# KiCad board vault35-katana-original.kicad_pcb (continued)
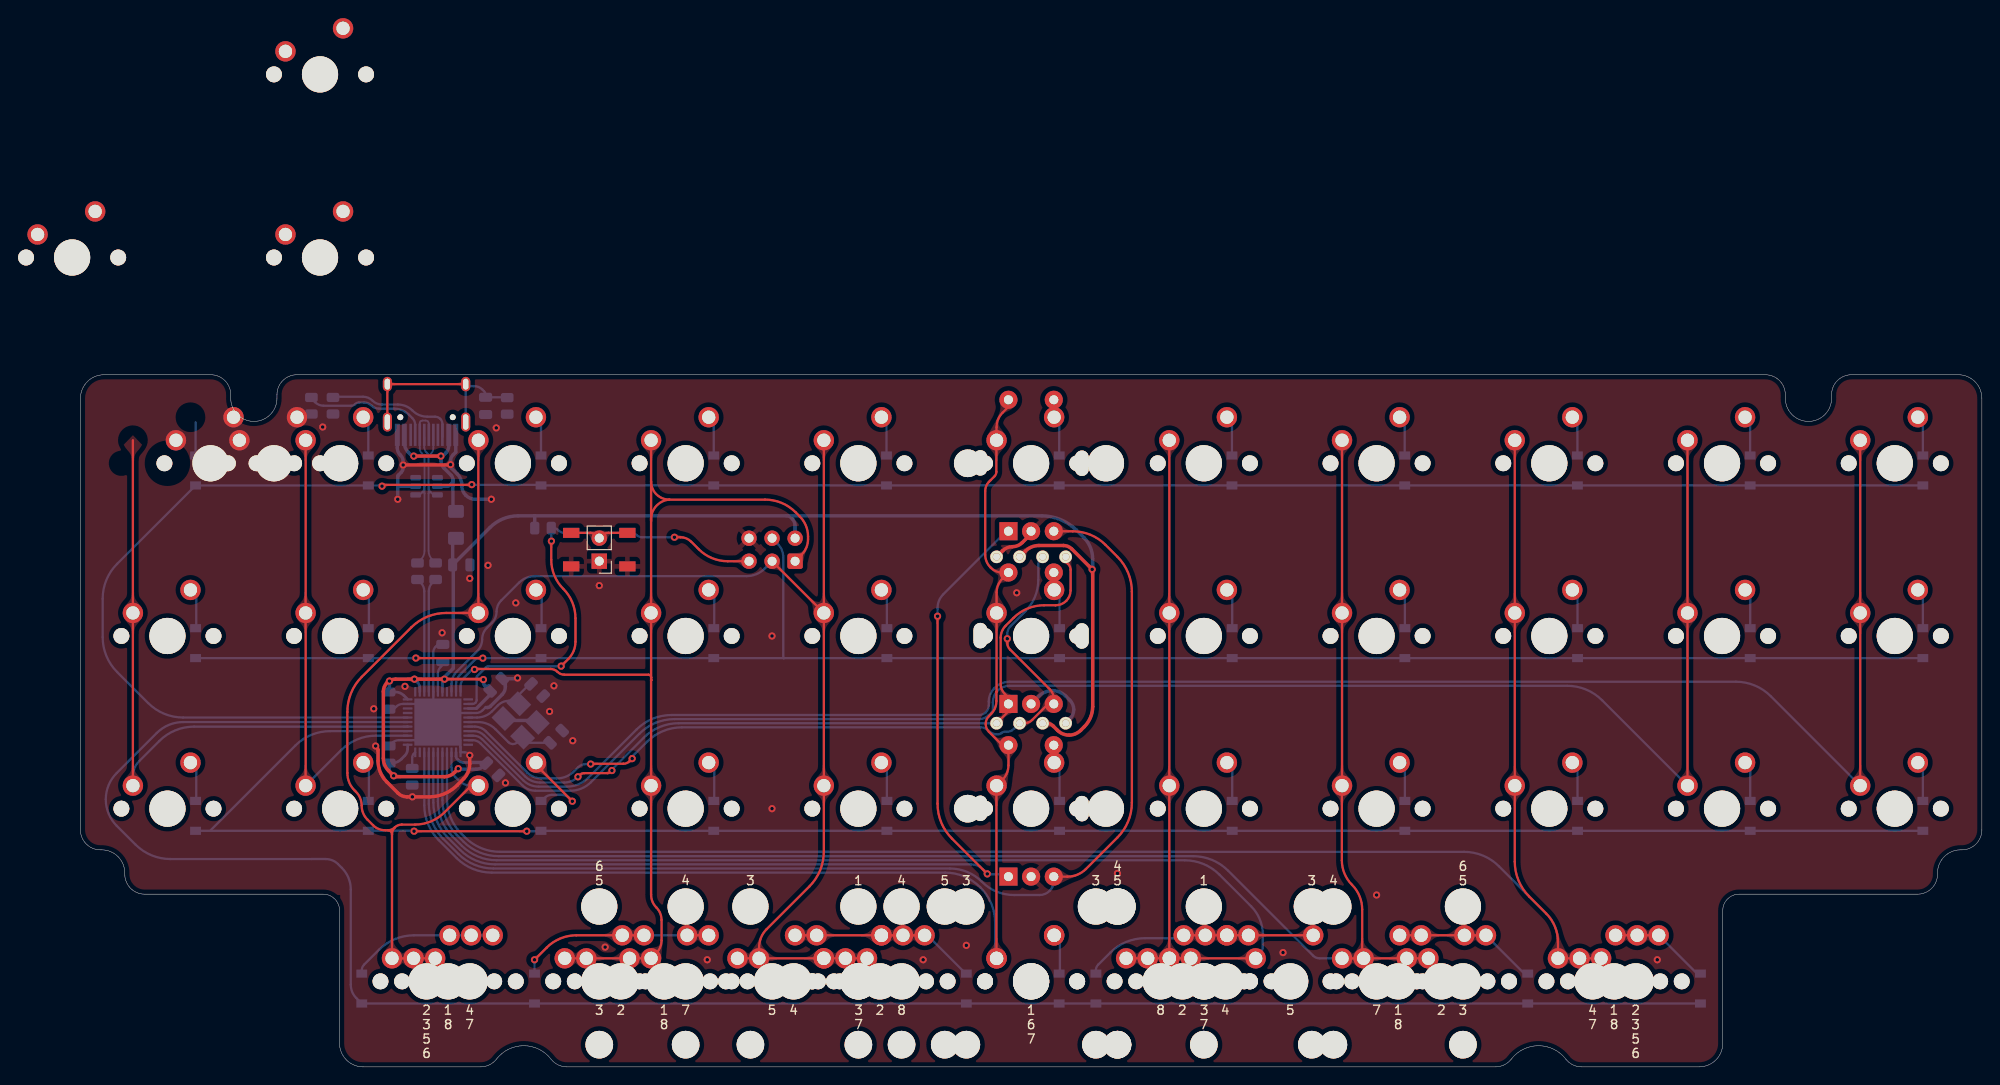
[diagram p0: board, top side]
## Copper pours and planes (outline as drawn; the poured copper is in the pictures) (continued)
col2 on Top: 38.99,12.1 38.72,12.11 38.5,12.15 38.32,12.22 38.17,12.3 38.04,12.4 37.91,12.51 37.77,12.63 37.62,12.75 37.45,12.87 37.23,12.98 36.18,11.97 37.23,10.96 37.45,11.08 37.62,11.2 37.77,11.32 37.91,11.44 38.04,11.55 38.17,11.64 38.32,11.73 38.5,11.79 38.72,11.83 38.99,11.85
col2 on Top: 34.23,14.22 34.22,13.95 34.18,13.73 34.11,13.55 34.03,13.4 33.93,13.27 33.82,13.14 33.71,13 33.59,12.85 33.47,12.68 33.35,12.46 34.36,11.41 35.37,12.46 35.26,12.68 35.14,12.85 35.01,13 34.9,13.14 34.79,13.27 34.69,13.4 34.61,13.55 34.54,13.73 34.5,13.95 34.49,14.22
col2 on Top: 43.76,52.32 43.74,52.05 43.7,51.83 43.64,51.65 43.56,51.5 43.46,51.37 43.35,51.24 43.23,51.1 43.11,50.95 42.99,50.78 42.87,50.56 43.89,49.51 44.9,50.56 44.78,50.78 44.66,50.95 44.54,51.1 44.42,51.24 44.31,51.37 44.22,51.5 44.13,51.65 44.07,51.83 44.03,52.05 44.01,52.32
col2 on Top: 42.09,29.84 42.25,29.98 42.4,30.08 42.55,30.13 42.69,30.15 42.84,30.14 42.98,30.11 43.14,30.06 43.3,30.01 43.48,29.96 43.68,29.92 44.43,31.17 43.09,31.82 42.91,31.62 42.78,31.44 42.68,31.28 42.6,31.11 42.53,30.95 42.46,30.79 42.37,30.62 42.26,30.43 42.11,30.24 41.91,30.02
col2 on Top: 36.88,11.85 37.15,11.83 37.36,11.79 37.54,11.73 37.69,11.64 37.83,11.55 37.96,11.44 38.09,11.32 38.24,11.2 38.42,11.08 38.63,10.96 39.69,11.97 38.63,12.98 38.42,12.87 38.24,12.75 38.09,12.63 37.96,12.51 37.83,12.4 37.69,12.3 37.54,12.22 37.36,12.15 37.15,12.11 36.88,12.1
col2 on Bottom: 41.67,31.46 41.87,31.28 42.03,31.14 42.17,31.01 42.3,30.9 42.54,30.71 42.66,30.61 42.79,30.5 42.94,30.37 43.11,30.21 44.45,30.97 43.49,32.07 43.29,31.98 43.11,31.87 42.94,31.75 42.78,31.64 42.63,31.54 42.49,31.47 42.34,31.43 42.19,31.44 42.03,31.51 41.85,31.65
col3 on Top: 62.81,33.27 62.79,33 62.75,32.78 62.69,32.6 62.61,32.45 62.51,32.32 62.4,32.19 62.28,32.05 62.16,31.9 62.04,31.73 61.92,31.51 62.94,30.46 63.95,31.51 63.83,31.73 63.71,31.9 63.59,32.05 63.47,32.19 63.36,32.32 63.27,32.45 63.18,32.6 63.12,32.78 63.08,33 63.06,33.27
col3 on Top: 58.04,12.1 57.77,12.11 57.55,12.15 57.37,12.22 57.22,12.3 57.09,12.4 56.96,12.51 56.82,12.63 56.67,12.75 56.5,12.87 56.28,12.98 55.23,11.97 56.28,10.96 56.5,11.08 56.67,11.2 56.82,11.32 56.96,11.44 57.09,11.55 57.22,11.64 57.37,11.73 57.55,11.79 57.77,11.83 58.04,11.85
col3 on Top: 60.69,11.85 60.96,11.83 61.18,11.79 61.36,11.73 61.51,11.64 61.64,11.55 61.77,11.44 61.91,11.32 62.06,11.2 62.23,11.08 62.45,10.96 63.5,11.97 62.45,12.98 62.23,12.87 62.06,12.75 61.91,12.63 61.77,12.51 61.64,12.4 61.51,12.3 61.36,12.22 61.18,12.15 60.96,12.11 60.69,12.1
col3 on Top: 58.31,11.85 58.58,11.83 58.79,11.79 58.97,11.73 59.13,11.64 59.26,11.55 59.39,11.44 59.53,11.32 59.68,11.2 59.85,11.08 60.06,10.96 61.12,11.97 60.06,12.98 59.85,12.87 59.68,12.75 59.53,12.63 59.39,12.51 59.26,12.4 59.13,12.3 58.97,12.22 58.79,12.15 58.58,12.11 58.31,12.1
col3 on Top: 62.81,52.32 62.79,52.05 62.75,51.83 62.69,51.65 62.61,51.5 62.51,51.37 62.4,51.24 62.28,51.1 62.16,50.95 62.04,50.78 61.92,50.56 62.94,49.51 63.95,50.56 63.83,50.78 63.71,50.95 63.59,51.1 63.47,51.24 63.36,51.37 63.27,51.5 63.18,51.65 63.12,51.83 63.08,52.05 63.06,52.32
col3 on Top: 63.06,28.78 63.08,29.04 63.12,29.26 63.18,29.44 63.27,29.59 63.36,29.73 63.47,29.86 63.59,29.99 63.71,30.14 63.83,30.32 63.95,30.53 62.94,31.58 61.92,30.53 62.04,30.32 62.16,30.14 62.28,29.99 62.4,29.86 62.51,29.73 62.61,29.59 62.69,29.44 62.75,29.26 62.79,29.04 62.81,28.78
col3 on Top: 62.8,12.1 62.53,12.11 62.32,12.15 62.14,12.22 61.98,12.3 61.85,12.4 61.72,12.51 61.58,12.63 61.43,12.75 61.26,12.87 61.05,12.98 59.99,11.97 61.05,10.96 61.26,11.08 61.43,11.2 61.58,11.32 61.72,11.44 61.85,11.55 61.98,11.64 62.14,11.73 62.32,11.79 62.53,11.83 62.8,11.85
col3 on Top: 63.06,66.88 63.08,67.14 63.12,67.36 63.18,67.54 63.27,67.69 63.36,67.83 63.47,67.96 63.59,68.09 63.71,68.24 63.83,68.42 63.95,68.63 62.94,69.68 61.92,68.63 62.04,68.42 62.16,68.24 62.28,68.09 62.4,67.96 62.51,67.83 62.61,67.69 62.69,67.54 62.75,67.36 62.79,67.14 62.81,66.88
col3 on Top: 55.66,12.1 55.39,12.11 55.17,12.15 54.99,12.22 54.84,12.3 54.7,12.4 54.58,12.51 54.44,12.63 54.29,12.75 54.11,12.87 53.9,12.98 52.85,11.97 53.9,10.96 54.11,11.08 54.29,11.2 54.44,11.32 54.58,11.44 54.7,11.55 54.84,11.64 54.99,11.73 55.17,11.79 55.39,11.83 55.66,11.85
col3 on Top: 79.9,57.24 79.8,57.06 79.7,56.93 79.58,56.84 79.46,56.77 79.34,56.74 79.2,56.71 79.05,56.69 78.89,56.67 78.72,56.63 78.54,56.58 78.52,55.48 79.62,55.5 79.68,55.7 79.73,55.87 79.77,56.02 79.83,56.29 79.87,56.43 79.91,56.57 79.96,56.73 80.03,56.92 80.13,57.13
col3 on Top: 63.96,13.85 63.93,13.62 63.86,13.46 63.75,13.35 63.62,13.27 63.47,13.22 63.29,13.19 63.1,13.16 62.9,13.12 62.69,13.08 62.48,13 62.57,11.54 64.06,11.91 64.07,12.15 64.09,12.35 64.1,12.52 64.12,12.68 64.15,12.99 64.16,13.16 64.18,13.35 64.2,13.57 64.21,13.83
col3 on Top: 63.06,47.83 63.08,48.09 63.12,48.31 63.18,48.49 63.27,48.64 63.36,48.78 63.47,48.91 63.59,49.04 63.71,49.19 63.83,49.37 63.95,49.58 62.94,50.63 61.92,49.58 62.04,49.37 62.16,49.19 62.28,49.04 62.4,48.91 62.51,48.78 62.61,48.64 62.69,48.49 62.75,48.31 62.79,48.09 62.81,47.83
col3 on Top: 53.55,11.85 53.81,11.83 54.03,11.79 54.21,11.73 54.36,11.64 54.5,11.55 54.63,11.44 54.76,11.32 54.91,11.2 55.09,11.08 55.3,10.96 56.35,11.97 55.3,12.98 55.09,12.87 54.91,12.75 54.76,12.63 54.63,12.51 54.5,12.4 54.36,12.3 54.21,12.22 54.03,12.15 53.81,12.11 53.55,12.1
col4 on Top: 82.11,66.88 82.13,67.14 82.17,67.36 82.23,67.54 82.32,67.69 82.41,67.83 82.52,67.96 82.64,68.09 82.76,68.24 82.88,68.42 83,68.63 81.99,69.68 80.97,68.63 81.09,68.42 81.21,68.24 81.33,68.09 81.45,67.96 81.56,67.83 81.66,67.69 81.74,67.54 81.8,67.36 81.84,67.14 81.86,66.88
col4 on Top: 72.6,11.85 72.86,11.83 73.08,11.79 73.26,11.73 73.41,11.64 73.55,11.55 73.68,11.44 73.81,11.32 73.96,11.2 74.14,11.08 74.35,10.96 75.4,11.97 74.35,12.98 74.14,12.87 73.96,12.75 73.81,12.63 73.68,12.51 73.55,12.4 73.41,12.3 73.26,12.22 73.08,12.15 72.86,12.11 72.6,12.1
col4 on Top: 74.94,14.31 74.82,14.04 74.71,13.82 74.6,13.63 74.49,13.48 74.39,13.33 74.28,13.2 74.18,13.05 74.07,12.89 73.95,12.7 73.83,12.46 74.84,11.41 75.85,12.46 75.74,12.67 75.61,12.85 75.48,13.01 75.36,13.15 75.25,13.29 75.16,13.44 75.1,13.59 75.08,13.77 75.1,13.97 75.18,14.21
col4 on Top: 82.11,47.83 82.13,48.09 82.17,48.31 82.23,48.49 82.32,48.64 82.41,48.78 82.52,48.91 82.64,49.04 82.76,49.19 82.88,49.37 83,49.58 81.99,50.63 80.97,49.58 81.09,49.37 81.21,49.19 81.33,49.04 81.45,48.91 81.56,48.78 81.66,48.64 81.74,48.49 81.8,48.31 81.84,48.09 81.86,47.83
col4 on Top: 81.86,52.32 81.84,52.05 81.8,51.83 81.74,51.65 81.66,51.5 81.56,51.37 81.45,51.24 81.33,51.1 81.21,50.95 81.09,50.78 80.97,50.56 81.99,49.51 83,50.56 82.88,50.78 82.76,50.95 82.64,51.1 82.52,51.24 82.41,51.37 82.32,51.5 82.23,51.65 82.17,51.83 82.13,52.05 82.11,52.32
col4 on Top: 81.86,33.27 81.84,33 81.8,32.78 81.74,32.6 81.66,32.45 81.56,32.32 81.45,32.19 81.33,32.05 81.21,31.9 81.09,31.73 80.97,31.51 81.99,30.46 83,31.51 82.88,31.73 82.76,31.9 82.64,32.05 82.52,32.19 82.41,32.32 82.32,32.45 82.23,32.6 82.17,32.78 82.13,33 82.11,33.27
col4 on Top: 84.5,11.85 84.77,11.83 84.99,11.79 85.17,11.73 85.32,11.64 85.46,11.55 85.58,11.44 85.72,11.32 85.87,11.2 86.04,11.08 86.26,10.96 87.31,11.97 86.26,12.98 86.04,12.87 85.87,12.75 85.72,12.63 85.58,12.51 85.46,12.4 85.32,12.3 85.17,12.22 84.99,12.15 84.77,12.11 84.5,12.1
col4 on Top: 77.56,54.67 77.43,54.82 77.34,54.96 77.27,55.09 77.23,55.21 77.21,55.33 77.19,55.46 77.18,55.59 77.16,55.73 77.13,55.89 77.08,56.06 75.97,56.08 76,54.97 76.17,54.92 76.33,54.89 76.47,54.88 76.6,54.86 76.73,54.85 76.85,54.83 76.97,54.79 77.1,54.72 77.24,54.63 77.38,54.49
col4 on Top: 74.71,12.1 74.44,12.11 74.22,12.15 74.04,12.22 73.89,12.3 73.75,12.4 73.63,12.51 73.49,12.63 73.34,12.75 73.16,12.87 72.95,12.98 71.9,11.97 72.95,10.96 73.16,11.08 73.34,11.2 73.49,11.32 73.63,11.44 73.75,11.55 73.89,11.64 74.04,11.73 74.22,11.79 74.44,11.83 74.71,11.85
col4 on Top: 77.09,12.1 76.82,12.11 76.6,12.15 76.42,12.22 76.27,12.3 76.14,12.4 76.01,12.51 75.87,12.63 75.72,12.75 75.55,12.87 75.33,12.98 74.28,11.97 75.33,10.96 75.55,11.08 75.72,11.2 75.87,11.32 76.01,11.44 76.14,11.55 76.27,11.64 76.42,11.73 76.6,11.79 76.82,11.83 77.09,11.85
col4 on Top: 80.31,51.57 80.49,51.37 80.61,51.19 80.69,51.02 80.74,50.85 80.77,50.68 80.78,50.52 80.8,50.34 80.82,50.15 80.86,49.94 80.92,49.7 82.38,49.67 82.36,51.13 82.12,51.2 81.91,51.24 81.72,51.26 81.54,51.27 81.37,51.29 81.21,51.32 81.04,51.36 80.87,51.45 80.69,51.57 80.49,51.75
col4 on Top: 84.23,12.1 83.96,12.11 83.75,12.15 83.57,12.22 83.41,12.3 83.28,12.4 83.15,12.51 83.02,12.63 82.87,12.75 82.69,12.87 82.48,12.98 81.42,11.97 82.48,10.96 82.69,11.08 82.87,11.2 83.02,11.32 83.15,11.44 83.28,11.55 83.41,11.64 83.57,11.73 83.75,11.79 83.96,11.83 84.23,11.85
col4 on Top: 82.12,11.85 82.39,11.83 82.61,11.79 82.79,11.73 82.94,11.64 83.07,11.55 83.2,11.44 83.34,11.32 83.49,11.2 83.66,11.08 83.88,10.96 84.93,11.97 83.88,12.98 83.66,12.87 83.49,12.75 83.34,12.63 83.2,12.51 83.07,12.4 82.94,12.3 82.79,12.22 82.61,12.15 82.39,12.11 82.12,12.1
col4 on Top: 82.11,28.78 82.13,29.04 82.17,29.26 82.23,29.44 82.32,29.59 82.41,29.73 82.52,29.86 82.64,29.99 82.76,30.14 82.88,30.32 83,30.53 81.99,31.58 80.97,30.53 81.09,30.32 81.21,30.14 81.33,29.99 81.45,29.86 81.56,29.73 81.66,29.59 81.74,29.44 81.8,29.26 81.84,29.04 81.86,28.78
col4 on Top: 84.23,12.1 83.96,12.11 83.75,12.15 83.57,12.22 83.41,12.3 83.28,12.4 83.15,12.51 83.02,12.63 82.87,12.75 82.69,12.87 82.48,12.98 81.42,11.97 82.48,10.96 82.69,11.08 82.87,11.2 83.02,11.32 83.15,11.44 83.28,11.55 83.41,11.64 83.57,11.73 83.75,11.79 83.96,11.83 84.23,11.85
col4 on Top: 79.74,11.85 80.01,11.83 80.23,11.79 80.41,11.73 80.56,11.64 80.69,11.55 80.82,11.44 80.96,11.32 81.11,11.2 81.28,11.08 81.5,10.96 82.55,11.97 81.5,12.98 81.28,12.87 81.11,12.75 80.96,12.63 80.82,12.51 80.69,12.4 80.56,12.3 80.41,12.22 80.23,12.15 80.01,12.11 79.74,12.1
col4 on Top: 79.74,11.85 80.01,11.83 80.23,11.79 80.41,11.73 80.56,11.64 80.69,11.55 80.82,11.44 80.96,11.32 81.11,11.2 81.28,11.08 81.5,10.96 82.55,11.97 81.5,12.98 81.28,12.87 81.11,12.75 80.96,12.63 80.82,12.51 80.69,12.4 80.56,12.3 80.41,12.22 80.23,12.15 80.01,12.11 79.74,12.1
col4 on Top: 86.61,12.1 86.35,12.11 86.13,12.15 85.95,12.22 85.8,12.3 85.66,12.4 85.53,12.51 85.4,12.63 85.25,12.75 85.07,12.87 84.86,12.98 83.8,11.97 84.86,10.96 85.07,11.08 85.25,11.2 85.4,11.32 85.53,11.44 85.66,11.55 85.8,11.64 85.95,11.73 86.13,11.79 86.35,11.83 86.61,11.85
col4 on Bottom: 74.83,54.34 75.06,54.46 75.25,54.55 75.42,54.62 75.57,54.67 75.71,54.72 75.85,54.76 76,54.8 76.16,54.85 76.34,54.9 76.56,54.98 76.58,56.08 75.47,56.06 75.41,55.86 75.37,55.67 75.31,55.34 75.28,55.2 75.23,55.06 75.16,54.93 75.05,54.8 74.91,54.69 74.71,54.57
col5 on Top: 102.18,32.86 102.12,32.64 102.03,32.48 101.91,32.37 101.77,32.29 101.61,32.25 101.43,32.22 101.24,32.2 101.04,32.18 100.83,32.14 100.62,32.07 100.66,30.61 102.14,30.81 102.19,31.06 102.22,31.26 102.24,31.45 102.26,31.61 102.3,31.93 102.32,32.11 102.34,32.31 102.38,32.54 102.43,32.82
col5 on Top: 100.37,54.92 100.54,54.76 100.68,54.63 100.81,54.52 100.93,54.43 101.14,54.26 101.25,54.17 101.37,54.07 101.5,53.96 101.65,53.82 102.84,54.49 101.99,55.47 101.82,55.39 101.66,55.29 101.51,55.19 101.37,55.09 101.24,55.01 101.11,54.94 100.98,54.91 100.84,54.92 100.7,54.98 100.54,55.11
col5 on Top: 101.16,47.83 101.18,48.09 101.22,48.31 101.28,48.49 101.37,48.64 101.46,48.78 101.57,48.91 101.69,49.04 101.81,49.19 101.93,49.37 102.05,49.58 101.04,50.63 100.02,49.58 100.14,49.37 100.26,49.19 100.38,49.04 100.5,48.91 100.61,48.78 100.71,48.64 100.79,48.49 100.85,48.31 100.89,48.09 100.91,47.83
col5 on Top: 101.28,71.28 101.42,71.59 101.57,71.83 101.74,72 101.92,72.14 102.11,72.24 102.31,72.34 102.52,72.45 102.72,72.58 102.93,72.75 103.14,72.98 102.45,74.08 101.38,73.35 101.43,73.11 101.46,72.9 101.46,72.72 101.45,72.55 101.42,72.39 101.37,72.22 101.3,72.04 101.14,71.62 101.04,71.36
col5 on Top: 101.14,66.87 101.16,67.13 101.2,67.35 101.26,67.53 101.34,67.68 101.44,67.82 101.55,67.95 101.67,68.08 101.79,68.23 101.92,68.4 102.04,68.61 101.05,69.68 100.01,68.65 100.13,68.43 100.25,68.25 100.37,68.1 100.48,67.96 100.59,67.83 100.69,67.69 100.77,67.54 100.84,67.36 100.88,67.14 100.89,66.87
col5 on Top: 101.26,52.92 101.34,53.12 101.44,53.26 101.55,53.36 101.68,53.42 101.82,53.45 101.97,53.47 102.14,53.49 102.31,53.51 102.5,53.54 102.69,53.6 102.69,54.9 101.39,54.83 101.33,54.61 101.28,54.42 101.25,54.26 101.23,54.1 101.2,53.8 101.17,53.64 101.14,53.46 101.09,53.25 101.02,53
col5 on Top: 100.89,14.22 100.88,13.95 100.84,13.74 100.77,13.55 100.69,13.4 100.59,13.26 100.49,13.13 100.37,13 100.25,12.84 100.13,12.66 100.02,12.45 101.04,11.41 102.04,12.48 101.92,12.69 101.8,12.86 101.68,13.01 101.56,13.15 101.45,13.27 101.35,13.41 101.27,13.56 101.2,13.74 101.16,13.96 101.15,14.22
col5 on Top: 101.2,53.43 101.01,53.06 100.86,52.74 100.75,52.46 100.67,52.21 100.6,51.97 100.53,51.73 100.45,51.49 100.35,51.23 100.22,50.95 100.05,50.61 101.04,49.51 102.05,50.56 101.88,50.88 101.71,51.16 101.54,51.42 101.4,51.66 101.28,51.9 101.19,52.14 101.16,52.39 101.18,52.66 101.26,52.97 101.42,53.31
col5 on Top: 101.15,28.77 101.16,29.04 101.2,29.25 101.27,29.43 101.35,29.59 101.45,29.72 101.56,29.85 101.68,29.98 101.8,30.13 101.92,30.31 102.04,30.52 101.04,31.58 100.02,30.55 100.13,30.33 100.25,30.15 100.37,30 100.49,29.86 100.59,29.73 100.69,29.59 100.77,29.44 100.84,29.26 100.88,29.04 100.89,28.77
col5 on Top: 101.2,71.72 101.05,71.43 100.91,71.19 100.8,70.99 100.41,70.32 100.31,70.13 100.19,69.92 100.05,69.66 101.04,68.56 102.05,69.61 101.92,69.85 101.78,70.05 101.64,70.23 101.51,70.41 101.4,70.57 101.31,70.74 101.26,70.92 101.26,71.12 101.31,71.34 101.42,71.6
col5 on Top: 100.89,14.22 100.88,13.95 100.84,13.74 100.77,13.55 100.69,13.4 100.59,13.26 100.49,13.13 100.37,13 100.25,12.84 100.13,12.66 100.02,12.45 101.04,11.41 102.04,12.48 101.92,12.69 101.8,12.86 101.68,13.01 101.56,13.15 101.45,13.27 101.35,13.41 101.27,13.56 101.2,13.74 101.16,13.96 101.15,14.22
col5 on Top: 102.47,33.5 102.49,33.73 102.52,33.92 102.58,34.08 102.65,34.22 102.73,34.34 102.83,34.45 102.93,34.57 103.04,34.71 103.14,34.86 103.25,35.05 102.35,35.99 101.45,35.05 101.55,34.86 101.66,34.71 101.76,34.57 101.86,34.45 101.96,34.34 102.04,34.22 102.12,34.08 102.17,33.92 102.21,33.73 102.22,33.5
col5 on Top: 100.59,36.39 100.77,36.19 100.9,36.02 101,35.85 101.08,35.7 101.14,35.55 101.21,35.41 101.28,35.26 101.36,35.11 101.48,34.95 101.64,34.78 102.83,35.34 102.18,36.47 102.01,36.44 101.85,36.4 101.7,36.35 101.56,36.32 101.43,36.29 101.3,36.29 101.18,36.31 101.05,36.35 100.91,36.44 100.77,36.57
col5 on Bottom: 100.75,14.22 100.74,13.94 100.7,13.71 100.63,13.52 100.56,13.35 100.46,13.21 100.36,13.06 100.26,12.92 100.15,12.75 100.05,12.55 99.96,12.32 101.12,11.42 101.97,12.6 101.83,12.79 101.69,12.94 101.56,13.08 101.43,13.2 101.31,13.31 101.21,13.44 101.12,13.58 101.06,13.75 101.02,13.96 101,14.22
col5 on Bottom: 100.75,14.22 100.74,13.94 100.7,13.71 100.63,13.52 100.56,13.35 100.46,13.21 100.36,13.06 100.26,12.92 100.15,12.75 100.05,12.55 99.96,12.32 101.12,11.42 101.97,12.6 101.83,12.79 101.69,12.94 101.56,13.08 101.43,13.2 101.31,13.31 101.21,13.44 101.12,13.58 101.06,13.75 101.02,13.96 101,14.22
col6 on Top: 115.46,11.85 115.73,11.83 115.94,11.79 116.12,11.73 116.28,11.64 116.41,11.55 116.54,11.44 116.68,11.32 116.83,11.2 117,11.08 117.21,10.96 118.27,11.97 117.21,12.98 117,12.87 116.83,12.75 116.68,12.63 116.54,12.51 116.41,12.4 116.28,12.3 116.12,12.22 115.94,12.15 115.73,12.11 115.46,12.1
col6 on Top: 119.96,33.27 119.94,33 119.9,32.78 119.84,32.6 119.76,32.45 119.66,32.32 119.55,32.19 119.43,32.05 119.31,31.9 119.19,31.73 119.07,31.51 120.09,30.46 121.1,31.51 120.98,31.73 120.86,31.9 120.74,32.05 120.62,32.19 120.51,32.32 120.42,32.45 120.33,32.6 120.27,32.78 120.23,33 120.21,33.27
col6 on Top: 127.37,11.85 127.63,11.83 127.85,11.79 128.03,11.73 128.18,11.64 128.32,11.55 128.45,11.44 128.58,11.32 128.73,11.2 128.91,11.08 129.12,10.96 130.17,11.97 129.12,12.98 128.91,12.87 128.73,12.75 128.58,12.63 128.45,12.51 128.32,12.4 128.18,12.3 128.03,12.22 127.85,12.15 127.63,12.11 127.37,12.1
col6 on Top: 117.57,12.1 117.3,12.11 117.08,12.15 116.9,12.22 116.75,12.3 116.62,12.4 116.49,12.51 116.35,12.63 116.2,12.75 116.03,12.87 115.81,12.98 114.76,11.97 115.81,10.96 116.03,11.08 116.2,11.2 116.35,11.32 116.49,11.44 116.62,11.55 116.75,11.64 116.9,11.73 117.08,11.79 117.3,11.83 117.57,11.85
col6 on Top: 122.33,12.1 122.06,12.11 121.85,12.15 121.67,12.22 121.51,12.3 121.38,12.4 121.25,12.51 121.12,12.63 120.97,12.75 120.79,12.87 120.58,12.98 119.52,11.97 120.58,10.96 120.79,11.08 120.97,11.2 121.12,11.32 121.25,11.44 121.38,11.55 121.51,11.64 121.67,11.73 121.85,11.79 122.06,11.83 122.33,11.85
col6 on Top: 117.84,11.85 118.11,11.83 118.33,11.79 118.51,11.73 118.66,11.64 118.79,11.55 118.92,11.44 119.06,11.32 119.21,11.2 119.38,11.08 119.6,10.96 120.65,11.97 119.6,12.98 119.38,12.87 119.21,12.75 119.06,12.63 118.92,12.51 118.79,12.4 118.66,12.3 118.51,12.22 118.33,12.15 118.11,12.11 117.84,12.1
col6 on Top: 119.96,52.32 119.94,52.05 119.9,51.83 119.84,51.65 119.76,51.5 119.66,51.37 119.55,51.24 119.43,51.1 119.31,50.95 119.19,50.78 119.07,50.56 120.09,49.51 121.1,50.56 120.98,50.78 120.86,50.95 120.74,51.1 120.62,51.24 120.51,51.37 120.42,51.5 120.33,51.65 120.27,51.83 120.23,52.05 120.21,52.32
col6 on Top: 124.71,12.1 124.45,12.11 124.23,12.15 124.05,12.22 123.9,12.3 123.76,12.4 123.63,12.51 123.5,12.63 123.35,12.75 123.17,12.87 122.96,12.98 121.9,11.97 122.96,10.96 123.17,11.08 123.35,11.2 123.5,11.32 123.63,11.44 123.76,11.55 123.9,11.64 124.05,11.73 124.23,11.79 124.45,11.83 124.71,11.85
col6 on Top: 117.84,11.85 118.11,11.83 118.33,11.79 118.51,11.73 118.66,11.64 118.79,11.55 118.92,11.44 119.06,11.32 119.21,11.2 119.38,11.08 119.6,10.96 120.65,11.97 119.6,12.98 119.38,12.87 119.21,12.75 119.06,12.63 118.92,12.51 118.79,12.4 118.66,12.3 118.51,12.22 118.33,12.15 118.11,12.11 117.84,12.1
col6 on Top: 120.22,11.85 120.49,11.83 120.71,11.79 120.89,11.73 121.04,11.64 121.17,11.55 121.3,11.44 121.44,11.32 121.59,11.2 121.76,11.08 121.98,10.96 123.03,11.97 121.98,12.98 121.76,12.87 121.59,12.75 121.44,12.63 121.3,12.51 121.17,12.4 121.04,12.3 120.89,12.22 120.71,12.15 120.49,12.11 120.22,12.1
col6 on Top: 119.96,14.22 119.94,13.95 119.9,13.73 119.84,13.55 119.76,13.4 119.66,13.27 119.55,13.14 119.43,13 119.31,12.85 119.19,12.68 119.07,12.46 120.09,11.41 121.1,12.46 120.98,12.68 120.86,12.85 120.74,13 120.62,13.14 120.51,13.27 120.42,13.4 120.33,13.55 120.27,13.73 120.23,13.95 120.21,14.22
col6 on Top: 120.21,66.88 120.23,67.14 120.27,67.36 120.33,67.54 120.42,67.69 120.51,67.83 120.62,67.96 120.74,68.09 120.86,68.24 120.98,68.42 121.1,68.63 120.09,69.68 119.07,68.63 119.19,68.42 119.31,68.24 119.43,68.09 119.55,67.96 119.66,67.83 119.76,67.69 119.84,67.54 119.9,67.36 119.94,67.14 119.96,66.88
col6 on Top: 120.21,47.83 120.23,48.09 120.27,48.31 120.33,48.49 120.42,48.64 120.51,48.78 120.62,48.91 120.74,49.04 120.86,49.19 120.98,49.37 121.1,49.58 120.09,50.63 119.07,49.58 119.19,49.37 119.31,49.19 119.43,49.04 119.55,48.91 119.66,48.78 119.76,48.64 119.84,48.49 119.9,48.31 119.94,48.09 119.96,47.83
col6 on Top: 122.33,12.1 122.06,12.11 121.85,12.15 121.67,12.22 121.51,12.3 121.38,12.4 121.25,12.51 121.12,12.63 120.97,12.75 120.79,12.87 120.58,12.98 119.52,11.97 120.58,10.96 120.79,11.08 120.97,11.2 121.12,11.32 121.25,11.44 121.38,11.55 121.51,11.64 121.67,11.73 121.85,11.79 122.06,11.83 122.33,11.85
col6 on Top: 120.21,28.78 120.23,29.04 120.27,29.26 120.33,29.44 120.42,29.59 120.51,29.73 120.62,29.86 120.74,29.99 120.86,30.14 120.98,30.32 121.1,30.53 120.09,31.58 119.07,30.53 119.19,30.32 119.31,30.14 119.43,29.99 119.55,29.86 119.66,29.73 119.76,29.59 119.84,29.44 119.9,29.26 119.94,29.04 119.96,28.78
col6 on Top: 119.95,12.1 119.68,12.11 119.47,12.15 119.29,12.22 119.13,12.3 119,12.4 118.87,12.51 118.73,12.63 118.58,12.75 118.41,12.87 118.2,12.98 117.14,11.97 118.2,10.96 118.41,11.08 118.58,11.2 118.73,11.32 118.87,11.44 119,11.55 119.13,11.64 119.29,11.73 119.47,11.79 119.68,11.83 119.95,11.85
col6 on Top: 119.96,14.22 119.94,13.95 119.9,13.73 119.84,13.55 119.76,13.4 119.66,13.27 119.55,13.14 119.43,13 119.31,12.85 119.19,12.68 119.07,12.46 120.09,11.41 121.1,12.46 120.98,12.68 120.86,12.85 120.74,13 120.62,13.14 120.51,13.27 120.42,13.4 120.33,13.55 120.27,13.73 120.23,13.95 120.21,14.22
col6 on Bottom: 130.27,13.99 130.26,13.77 130.2,13.6 130.12,13.47 130.01,13.37 129.88,13.29 129.73,13.23 129.57,13.17 129.39,13.11 129.21,13.03 129.02,12.93 129.31,11.5 130.74,11.97 130.73,12.22 130.71,12.43 130.69,12.61 130.66,12.78 130.63,12.94 130.6,13.1 130.57,13.27 130.55,13.47 130.53,13.71 130.53,13.99
col7 on Top: 141.23,14.22 141.22,13.94 141.18,13.71 141.12,13.52 141.04,13.35 140.94,13.21 140.84,13.06 140.74,12.92 140.63,12.75 140.54,12.55 140.45,12.32 141.6,11.42 142.45,12.6 142.31,12.79 142.17,12.94 142.04,13.08 141.91,13.2 141.79,13.31 141.69,13.44 141.6,13.58 141.54,13.75 141.5,13.96 141.48,14.22
col7 on Top: 144.03,11.85 144.3,11.83 144.52,11.79 144.7,11.73 144.85,11.64 144.99,11.55 145.12,11.44 145.25,11.32 145.4,11.2 145.58,11.08 145.79,10.96 146.84,11.97 145.79,12.98 145.58,12.87 145.4,12.75 145.25,12.63 145.12,12.51 144.99,12.4 144.85,12.3 144.7,12.22 144.52,12.15 144.3,12.11 144.03,12.1
col7 on Top: 139.26,66.88 139.28,67.14 139.32,67.36 139.38,67.54 139.47,67.69 139.56,67.83 139.67,67.96 139.79,68.09 139.91,68.24 140.03,68.42 140.15,68.63 139.14,69.68 138.12,68.63 138.24,68.42 138.36,68.24 138.48,68.09 138.6,67.96 138.71,67.83 138.81,67.69 138.89,67.54 138.95,67.36 138.99,67.14 139.01,66.88
col7 on Top: 139.27,11.85 139.54,11.83 139.76,11.79 139.94,11.73 140.09,11.64 140.22,11.55 140.35,11.44 140.49,11.32 140.64,11.2 140.81,11.08 141.03,10.96 142.08,11.97 141.03,12.98 140.81,12.87 140.64,12.75 140.49,12.63 140.35,12.51 140.22,12.4 140.09,12.3 139.94,12.22 139.76,12.15 139.54,12.11 139.27,12.1
col7 on Top: 146.42,11.85 146.68,11.83 146.9,11.79 147.08,11.73 147.23,11.64 147.37,11.55 147.5,11.44 147.63,11.32 147.78,11.2 147.96,11.08 148.17,10.96 149.22,11.97 148.17,12.98 147.96,12.87 147.78,12.75 147.63,12.63 147.5,12.51 147.37,12.4 147.23,12.3 147.08,12.22 146.9,12.15 146.68,12.11 146.42,12.1
col7 on Top: 143.76,12.1 143.5,12.11 143.28,12.15 143.1,12.22 142.95,12.3 142.81,12.4 142.68,12.51 142.55,12.63 142.4,12.75 142.22,12.87 142.01,12.98 140.95,11.97 142.01,10.96 142.22,11.08 142.4,11.2 142.55,11.32 142.68,11.44 142.81,11.55 142.95,11.64 143.1,11.73 143.28,11.79 143.5,11.83 143.76,11.85
col7 on Top: 139.01,33.27 138.99,33 138.95,32.78 138.89,32.6 138.81,32.45 138.71,32.32 138.6,32.19 138.48,32.05 138.36,31.9 138.24,31.73 138.12,31.51 139.14,30.46 140.15,31.51 140.03,31.73 139.91,31.9 139.79,32.05 139.67,32.19 139.56,32.32 139.47,32.45 139.38,32.6 139.32,32.78 139.28,33 139.26,33.27
col7 on Top: 139.01,52.32 138.99,52.05 138.95,51.83 138.89,51.65 138.81,51.5 138.71,51.37 138.6,51.24 138.48,51.1 138.36,50.95 138.24,50.78 138.12,50.56 139.14,49.51 140.15,50.56 140.03,50.78 139.91,50.95 139.79,51.1 139.67,51.24 139.56,51.37 139.47,51.5 139.38,51.65 139.32,51.83 139.28,52.05 139.26,52.32
col7 on Top: 148.52,12.1 148.26,12.11 148.04,12.15 147.86,12.22 147.71,12.3 147.57,12.4 147.44,12.51 147.31,12.63 147.16,12.75 146.98,12.87 146.77,12.98 145.72,11.97 146.77,10.96 146.98,11.08 147.16,11.2 147.31,11.32 147.44,11.44 147.57,11.55 147.71,11.64 147.86,11.73 148.04,11.79 148.26,11.83 148.52,11.85
col7 on Top: 139.26,47.83 139.28,48.09 139.32,48.31 139.38,48.49 139.47,48.64 139.56,48.78 139.67,48.91 139.79,49.04 139.91,49.19 140.03,49.37 140.15,49.58 139.14,50.63 138.12,49.58 138.24,49.37 138.36,49.19 138.48,49.04 138.6,48.91 138.71,48.78 138.81,48.64 138.89,48.49 138.95,48.31 138.99,48.09 139.01,47.83
col7 on Top: 141.38,12.1 141.11,12.11 140.9,12.15 140.72,12.22 140.56,12.3 140.43,12.4 140.3,12.51 140.17,12.63 140.02,12.75 139.84,12.87 139.63,12.98 138.57,11.97 139.63,10.96 139.84,11.08 140.02,11.2 140.17,11.32 140.3,11.44 140.43,11.55 140.56,11.64 140.72,11.73 140.9,11.79 141.11,11.83 141.38,11.85
col7 on Top: 139.24,28.77 139.26,29.03 139.3,29.25 139.36,29.43 139.44,29.58 139.54,29.72 139.65,29.85 139.77,29.98 139.89,30.13 140.02,30.3 140.14,30.51 139.15,31.58 138.11,30.55 138.23,30.33 138.35,30.15 138.47,30 138.58,29.86 138.69,29.73 138.79,29.59 138.87,29.44 138.94,29.26 138.98,29.04 138.99,28.77
col7 on Bottom: 136.89,11.85 137.16,11.83 137.38,11.79 137.56,11.73 137.71,11.64 137.84,11.55 137.97,11.44 138.11,11.32 138.26,11.2 138.43,11.08 138.65,10.96 139.7,11.97 138.65,12.98 138.43,12.87 138.26,12.75 138.11,12.63 137.97,12.51 137.84,12.4 137.71,12.3 137.56,12.22 137.38,12.15 137.16,12.11 136.89,12.1
col8 on Top: 158.31,66.88 158.33,67.14 158.37,67.36 158.43,67.54 158.51,67.69 158.61,67.83 158.72,67.96 158.84,68.09 158.96,68.24 159.08,68.42 159.2,68.63 158.19,69.68 157.17,68.63 157.29,68.42 157.41,68.24 157.53,68.09 157.65,67.96 157.76,67.83 157.86,67.69 157.94,67.54 158.01,67.36 158.05,67.14 158.06,66.88